# Altium PCB Power_Board_2.PcbDoc (part 4 of 6) (continued)
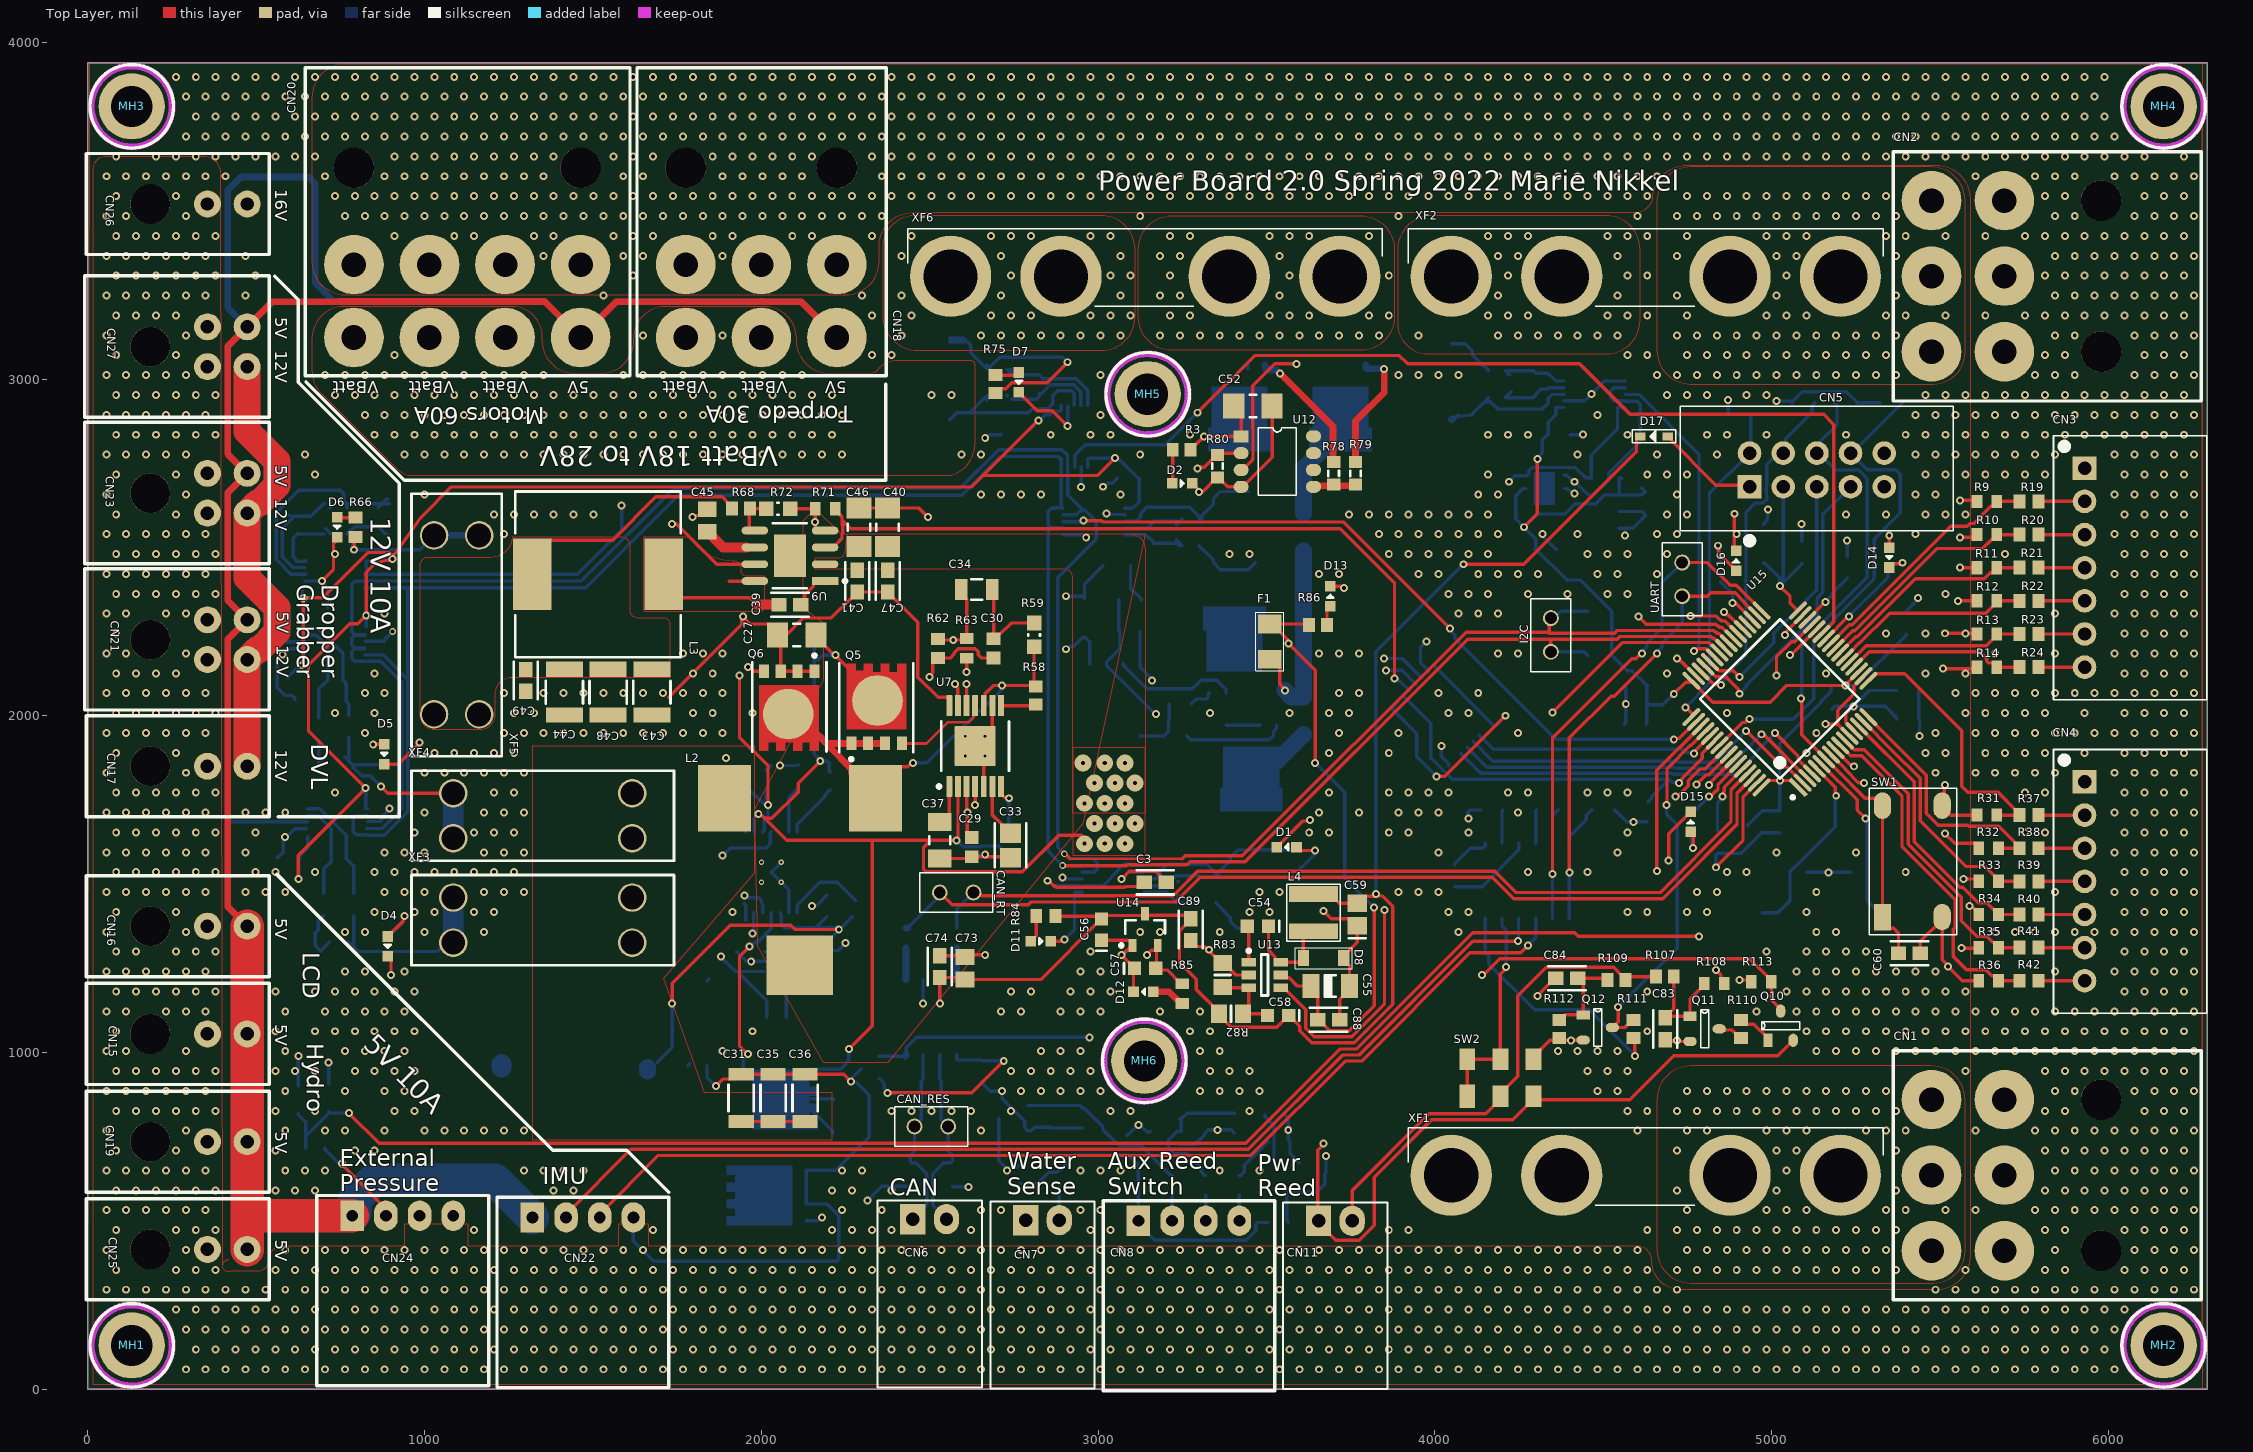
[diagram p0: Top Layer view]
## Nets (pads, with @x,y where several pads share a name; then routed paths per layer and width w, separated by ;. In a path a pad name is that pad's centre, name@x,y a point inside that pad or via, vN(x,y) a via of type N, cw(c..) or ccw(c..) an arc to the next point about the centre after c; other vN are vias at no path point) (continued)
113.54,2066.93 172.6,2066.93 231.65,2066.93 290.71,2066.93 349.76,2066.93 822.2,2066.93 881.26,2066.93 1235.59,2066.93 1353.7,2066.93 1412.76,2066.93 1471.81,2066.93 1530.87,2066.93 1589.92,2066.93 1648.98,2066.93 1708.03,2066.93 1767.09,2066.93 1826.14,2066.93 1885.2,2066.93 3715.9,2066.93 3774.96,2066.93 4011.18,2066.93 4129.29,2066.93 5546.61,2066.93 5605.67,2066.93 5664.72,2066.93 5723.78,2066.93 5782.83,2066.93 5841.89,2066.93 5900.94,2066.93 5960,2066.93 6019.05,2066.93 6078.11,2066.93 6137.16,2066.93 6196.22,2066.93 6255.27,2066.93 84.02,2125.98 143.07,2125.98 202.13,2125.98 261.18,2125.98 851.73,2125.98 1796.61,2125.98 1855.67,2125.98 4690.31,2125.98 5162.75,2125.98 5458.03,2125.98 5576.14,2125.98 6048.58,2125.98 6107.64,2125.98 6166.69,2125.98 6225.75,2125.98 54.49,2185.04 113.54,2185.04 290.71,2185.04 1767.09,2185.04 1826.14,2185.04 1885.2,2185.04 3656.85,2185.04 3715.9,2185.04 3774.96,2185.04 4188.34,2185.04 4247.4,2185.04 5664.72,2185.04 5841.89,2185.04 6019.05,2185.04 6078.11,2185.04 6137.16,2185.04 6196.22,2185.04 6255.27,2185.04 84.02,2244.09 5339.92,2244.09 5458.03,2244.09 5576.14,2244.09 6048.58,2244.09 6107.64,2244.09 6166.69,2244.09 6225.75,2244.09 54.49,2303.15 113.54,2303.15 231.65,2303.15 290.71,2303.15 881.26,2303.15 4070.23,2303.15 4129.29,2303.15 4188.34,2303.15 5841.89,2303.15 6019.05,2303.15 6078.11,2303.15 6137.16,2303.15 6196.22,2303.15 6255.27,2303.15 84.02,2362.2 143.07,2362.2 202.13,2362.2 261.18,2362.2 320.24,2362.2 379.29,2362.2 4040.71,2362.2 4099.76,2362.2 4158.82,2362.2 4276.93,2362.2 4395.04,2362.2 4513.15,2362.2 4572.2,2362.2 5517.08,2362.2 6048.58,2362.2 6107.64,2362.2 6166.69,2362.2 6225.75,2362.2 54.49,2421.26 113.54,2421.26 172.6,2421.26 231.65,2421.26 290.71,2421.26 349.76,2421.26 3656.85,2421.26 3715.9,2421.26 3952.12,2421.26 4011.18,2421.26 4129.29,2421.26 4188.34,2421.26 4247.4,2421.26 4306.45,2421.26 4483.62,2421.26 4542.68,2421.26 4660.79,2421.26 6019.05,2421.26 6078.11,2421.26 6137.16,2421.26 6196.22,2421.26 6255.27,2421.26 84.02,2480.31 143.07,2480.31 202.13,2480.31 261.18,2480.31 320.24,2480.31 379.29,2480.31 733.62,2480.31 3391.1,2480.31 3450.16,2480.31 3863.54,2480.31 3922.6,2480.31 3981.65,2480.31 4040.71,2480.31 4099.76,2480.31 4158.82,2480.31 4454.09,2480.31 4513.15,2480.31 4572.2,2480.31 4690.31,2480.31 5694.25,2480.31 6048.58,2480.31 6107.64,2480.31 6166.69,2480.31 6225.75,2480.31 54.49,2539.37 113.54,2539.37 172.6,2539.37 231.65,2539.37 290.71,2539.37 349.76,2539.37 1235.59,2539.37 3834.01,2539.37 3893.07,2539.37 3952.12,2539.37 4011.18,2539.37 4070.23,2539.37 4129.29,2539.37 4188.34,2539.37 4424.57,2539.37 4660.79,2539.37 4719.84,2539.37 4897.01,2539.37 5428.5,2539.37 6019.05,2539.37 6078.11,2539.37 6137.16,2539.37 6196.22,2539.37 6255.27,2539.37 2160,2575 84.02,2598.42 261.18,2598.42 1206.06,2598.42 1265.12,2598.42 1324.17,2598.42 1383.23,2598.42 1442.28,2598.42 1501.34,2598.42 3745.43,2598.42 3804.49,2598.42 3863.54,2598.42 3922.6,2598.42 3981.65,2598.42 4040.71,2598.42 4099.76,2598.42 4158.82,2598.42 4690.31,2598.42 4749.37,2598.42 5221.81,2598.42 5339.92,2598.42 5458.03,2598.42 5517.08,2598.42 5576.14,2598.42 6048.58,2598.42 6107.64,2598.42 6166.69,2598.42 6225.75,2598.42 54.49,2657.48 290.71,2657.48 999.37,2657.48 2652.91,2657.48 2711.97,2657.48 2771.02,2657.48 2830.08,2657.48 3066.3,2657.48 4129.29,2657.48 4188.34,2657.48 4719.84,2657.48 5428.5,2657.48 5487.56,2657.48 6019.05,2657.48 6078.11,2657.48 6137.16,2657.48 6196.22,2657.48 6255.27,2657.48 84.02,2716.53 261.18,2716.53 674.57,2716.53 4158.82,2716.53 4631.26,2716.53 4690.31,2716.53 4749.37,2716.53 5458.03,2716.53 5517.08,2716.53 5576.14,2716.53 5635.19,2716.53 5694.25,2716.53 5753.3,2716.53 5812.36,2716.53 6048.58,2716.53 6107.64,2716.53 6166.69,2716.53 6225.75,2716.53 54.49,2775.59 113.54,2775.59 172.6,2775.59 231.65,2775.59 290.71,2775.59 645.04,2775.59 2652.91,2775.59 3125.35,2775.59 4424.57,2775.59 4660.79,2775.59 4837.95,2775.59 5428.5,2775.59 5487.56,2775.59 5546.61,2775.59 5605.67,2775.59 5664.72,2775.59 5723.78,2775.59 5782.83,2775.59 5841.89,2775.59 6019.05,2775.59 6078.11,2775.59 6137.16,2775.59 6196.22,2775.59 6255.27,2775.59 84.02,2834.64 143.07,2834.64 202.13,2834.64 261.18,2834.64 320.24,2834.64 379.29,2834.64 2859.6,2834.64 2977.72,2834.64 3036.77,2834.64 3272.99,2834.64 4158.82,2834.64 4217.87,2834.64 4276.93,2834.64 4572.2,2834.64 4808.42,2834.64 4867.48,2834.64 4985.59,2834.64 5221.81,2834.64 5398.97,2834.64 5458.03,2834.64 5517.08,2834.64 5576.14,2834.64 5635.19,2834.64 5694.25,2834.64 5753.3,2834.64 5812.36,2834.64 5871.41,2834.64 5930.47,2834.64 5989.53,2834.64 6048.58,2834.64 6107.64,2834.64 6166.69,2834.64 6225.75,2834.64 54.49,2893.7 113.54,2893.7 172.6,2893.7 231.65,2893.7 290.71,2893.7 349.76,2893.7 3007.24,2893.7 4483.62,2893.7 5428.5,2893.7 5487.56,2893.7 5546.61,2893.7 5605.67,2893.7 5664.72,2893.7 5723.78,2893.7 5782.83,2893.7 5841.89,2893.7 5900.94,2893.7 5960,2893.7 6019.05,2893.7 6078.11,2893.7 6137.16,2893.7 6196.22,2893.7 6255.27,2893.7 84.02,2952.76 143.07,2952.76 202.13,2952.76 261.18,2952.76 320.24,2952.76 379.29,2952.76 4690.31,2952.76 4749.37,2952.76 4808.42,2952.76 4926.53,2952.76 4985.59,2952.76 5458.03,2952.76 5517.08,2952.76 5576.14,2952.76 5635.19,2952.76 5694.25,2952.76 5753.3,2952.76 5812.36,2952.76 5871.41,2952.76 5930.47,2952.76 5989.53,2952.76 6048.58,2952.76 6107.64,2952.76 6166.69,2952.76 6225.75,2952.76 4465,2955 54.49,3011.81 113.54,3011.81 172.6,3011.81 231.65,3011.81 290.71,3011.81 3007.24,3011.81 3893.07,3011.81 3952.12,3011.81 4011.18,3011.81 4070.23,3011.81 4660.79,3011.81 5782.83,3011.81 5841.89,3011.81 5900.94,3011.81 6078.11,3011.81 6137.16,3011.81 6196.22,3011.81 6255.27,3011.81 84.02,3070.87 261.18,3070.87 2328.11,3070.87 2387.16,3070.87 4572.2,3070.87 4631.26,3070.87 5812.36,3070.87 5871.41,3070.87 6107.64,3070.87 6166.69,3070.87 6225.75,3070.87 54.49,3129.92 290.71,3129.92 5841.89,3129.92 5900.94,3129.92 6078.11,3129.92 6137.16,3129.92 6196.22,3129.92 6255.27,3129.92 84.02,3188.98 143.07,3188.98 202.13,3188.98 261.18,3188.98 2328.11,3188.98 4631.26,3188.98 5635.19,3188.98 5753.3,3188.98 5812.36,3188.98 5871.41,3188.98 5930.47,3188.98 5989.53,3188.98 6048.58,3188.98 6107.64,3188.98 6166.69,3188.98 6225.75,3188.98 54.49,3248.03 113.54,3248.03 172.6,3248.03 231.65,3248.03 290.71,3248.03 349.76,3248.03 467.87,3248.03 1530.87,3248.03 2298.58,3248.03 5841.89,3248.03 5900.94,3248.03 5960,3248.03 6019.05,3248.03 6078.11,3248.03 6137.16,3248.03 6196.22,3248.03 6255.27,3248.03 84.02,3307.09 143.07,3307.09 202.13,3307.09 261.18,3307.09 320.24,3307.09 379.29,3307.09 497.4,3307.09 1619.45,3307.09 4631.26,3307.09 5812.36,3307.09 5871.41,3307.09 5930.47,3307.09 5989.53,3307.09 6048.58,3307.09 6107.64,3307.09 6166.69,3307.09 6225.75,3307.09 54.49,3366.14 113.54,3366.14 172.6,3366.14 231.65,3366.14 290.71,3366.14 349.76,3366.14 467.87,3366.14 1353.7,3366.14 1589.92,3366.14 1648.98,3366.14 1885.2,3366.14 5841.89,3366.14 5900.94,3366.14 5960,3366.14 6019.05,3366.14 6078.11,3366.14 6137.16,3366.14 6196.22,3366.14 6255.27,3366.14 84.02,3425.2 143.07,3425.2 202.13,3425.2 261.18,3425.2 320.24,3425.2 379.29,3425.2 910.79,3425.2 1087.95,3425.2 1147.01,3425.2 1324.17,3425.2 1383.23,3425.2 1560.39,3425.2 1619.45,3425.2 1678.5,3425.2 1855.67,3425.2 1914.72,3425.2 2091.89,3425.2 2150.94,3425.2 2328.11,3425.2 4631.26,3425.2 5635.19,3425.2 5753.3,3425.2 5812.36,3425.2 5871.41,3425.2 5930.47,3425.2 5989.53,3425.2 6048.58,3425.2 6107.64,3425.2 6166.69,3425.2 6225.75,3425.2 54.49,3484.25 113.54,3484.25 290.71,3484.25 763.15,3484.25 822.2,3484.25 881.26,3484.25 940.31,3484.25 999.37,3484.25 1058.42,3484.25 1117.48,3484.25 1176.53,3484.25 1235.59,3484.25 1294.64,3484.25 1353.7,3484.25 1412.76,3484.25 1471.81,3484.25 1530.87,3484.25 1589.92,3484.25 1648.98,3484.25 1708.03,3484.25 1767.09,3484.25 1826.14,3484.25 1885.2,3484.25 1944.25,3484.25 2003.31,3484.25 2062.36,3484.25 2121.42,3484.25 2180.47,3484.25 2239.53,3484.25 2298.58,3484.25 2357.64,3484.25 3125.35,3484.25 3893.07,3484.25 4601.73,3484.25 5841.89,3484.25 5900.94,3484.25 6078.11,3484.25 6137.16,3484.25 6196.22,3484.25 6255.27,3484.25 84.02,3543.31 261.18,3543.31 733.62,3543.31 792.68,3543.31 851.73,3543.31 910.79,3543.31 969.84,3543.31 1028.9,3543.31 1087.95,3543.31 1147.01,3543.31 1206.06,3543.31 1265.12,3543.31 1324.17,3543.31 1383.23,3543.31 1442.28,3543.31 1501.34,3543.31 1560.39,3543.31 1619.45,3543.31 1678.5,3543.31 1737.56,3543.31 1796.61,3543.31 1855.67,3543.31 1914.72,3543.31 1973.78,3543.31 2032.83,3543.31 2091.89,3543.31 2150.94,3543.31 2210,3543.31 2269.05,3543.31 2328.11,3543.31 2387.16,3543.31 2446.22,3543.31 2505.27,3543.31 2564.33,3543.31 2623.38,3543.31 2682.44,3543.31 2741.49,3543.31 2800.55,3543.31 2859.6,3543.31 2918.66,3543.31 2977.72,3543.31 3036.77,3543.31 3095.83,3543.31 3154.88,3543.31 3213.94,3543.31 3272.99,3543.31 3332.05,3543.31 3391.1,3543.31 3450.16,3543.31 3509.21,3543.31 3568.27,3543.31 3627.32,3543.31 3686.38,3543.31 3745.43,3543.31 3804.49,3543.31 3863.54,3543.31 3922.6,3543.31 3981.65,3543.31 4040.71,3543.31 4099.76,3543.31 4158.82,3543.31 4217.87,3543.31 4276.93,3543.31 4335.98,3543.31 4395.04,3543.31 4454.09,3543.31 4513.15,3543.31 4572.2,3543.31 4631.26,3543.31 5812.36,3543.31 5871.41,3543.31 6107.64,3543.31 6166.69,3543.31 6225.75,3543.31 54.49,3602.36 113.54,3602.36 172.6,3602.36 231.65,3602.36 290.71,3602.36 349.76,3602.36 408.82,3602.36 704.09,3602.36 881.26,3602.36 940.31,3602.36 999.37,3602.36 1058.42,3602.36 1117.48,3602.36 1176.53,3602.36 1235.59,3602.36 1294.64,3602.36 1353.7,3602.36 1589.92,3602.36 1648.98,3602.36 1885.2,3602.36 1944.25,3602.36 2003.31,3602.36 2062.36,3602.36 2121.42,3602.36 2357.64,3602.36 2416.69,3602.36 2475.75,3602.36 2534.8,3602.36 2593.86,3602.36 2652.91,3602.36 2711.97,3602.36 2771.02,3602.36 2830.08,3602.36 2889.13,3602.36 2948.19,3602.36 3007.24,3602.36 3066.3,3602.36 3125.35,3602.36 3184.41,3602.36 3243.46,3602.36 3302.52,3602.36 3361.57,3602.36 3420.63,3602.36 3479.68,3602.36 3538.74,3602.36 3597.79,3602.36 3656.85,3602.36 3715.9,3602.36 3774.96,3602.36 3834.01,3602.36 3893.07,3602.36 3952.12,3602.36 4011.18,3602.36 4070.23,3602.36 4129.29,3602.36 4188.34,3602.36 4247.4,3602.36 4306.45,3602.36 4365.51,3602.36 4424.57,3602.36 4483.62,3602.36 4542.68,3602.36 4601.73,3602.36 4660.79,3602.36 5605.67,3602.36 5782.83,3602.36 5841.89,3602.36 5900.94,3602.36 6019.05,3602.36 6078.11,3602.36 6137.16,3602.36 6196.22,3602.36 6255.27,3602.36 84.02,3661.42 202.13,3661.42 261.18,3661.42 320.24,3661.42 379.29,3661.42 438.35,3661.42 497.4,3661.42 556.46,3661.42 615.51,3661.42 674.57,3661.42 910.79,3661.42 969.84,3661.42 1028.9,3661.42 1087.95,3661.42 1147.01,3661.42 1206.06,3661.42 1265.12,3661.42 1324.17,3661.42 1383.23,3661.42 1560.39,3661.42 1619.45,3661.42 1678.5,3661.42 1855.67,3661.42 1914.72,3661.42 1973.78,3661.42 2032.83,3661.42 2091.89,3661.42 2150.94,3661.42 2328.11,3661.42 2387.16,3661.42 2446.22,3661.42 2505.27,3661.42 2564.33,3661.42 2623.38,3661.42 2682.44,3661.42 2741.49,3661.42 2800.55,3661.42 2859.6,3661.42 2918.66,3661.42 2977.72,3661.42 3036.77,3661.42 3095.83,3661.42 3154.88,3661.42 3213.94,3661.42 3272.99,3661.42 3332.05,3661.42 3391.1,3661.42 3450.16,3661.42 3509.21,3661.42 3568.27,3661.42 3627.32,3661.42 3686.38,3661.42 3745.43,3661.42 3804.49,3661.42 3863.54,3661.42 3922.6,3661.42 3981.65,3661.42 4040.71,3661.42 4099.76,3661.42 4158.82,3661.42 4217.87,3661.42 4276.93,3661.42 4335.98,3661.42 4395.04,3661.42 4454.09,3661.42 4513.15,3661.42 4572.2,3661.42 4631.26,3661.42 4690.31,3661.42 4749.37,3661.42 4808.42,3661.42 4867.48,3661.42 4926.53,3661.42 4985.59,3661.42 5044.64,3661.42 5103.7,3661.42 5162.75,3661.42 5221.81,3661.42 5280.86,3661.42 5339.92,3661.42 5398.97,3661.42 5458.03,3661.42 5517.08,3661.42 5576.14,3661.42 5635.19,3661.42 5694.25,3661.42 5753.3,3661.42 5812.36,3661.42 5871.41,3661.42 5930.47,3661.42 5989.53,3661.42 6048.58,3661.42 6107.64,3661.42 6225.75,3661.42 290.71,3720.47 349.76,3720.47 408.82,3720.47 467.87,3720.47 526.93,3720.47 585.98,3720.47 645.04,3720.47 704.09,3720.47 763.15,3720.47 822.2,3720.47 881.26,3720.47 940.31,3720.47 999.37,3720.47 1058.42,3720.47 1117.48,3720.47 1176.53,3720.47 1235.59,3720.47 1294.64,3720.47 1353.7,3720.47 1412.76,3720.47 1471.81,3720.47 1530.87,3720.47 1589.92,3720.47 1648.98,3720.47 1708.03,3720.47 1767.09,3720.47 1826.14,3720.47 1885.2,3720.47 1944.25,3720.47 2003.31,3720.47 2062.36,3720.47 2121.42,3720.47 2180.47,3720.47 2239.53,3720.47 2298.58,3720.47 2357.64,3720.47 2416.69,3720.47 2475.75,3720.47 2534.8,3720.47 2593.86,3720.47 2652.91,3720.47 2711.97,3720.47 2771.02,3720.47 2830.08,3720.47 2889.13,3720.47 2948.19,3720.47 3007.24,3720.47 3066.3,3720.47 3125.35,3720.47 3184.41,3720.47 3243.46,3720.47 3302.52,3720.47 3361.57,3720.47 3420.63,3720.47 3479.68,3720.47 3538.74,3720.47 3597.79,3720.47 3656.85,3720.47 3715.9,3720.47 3774.96,3720.47 3834.01,3720.47 3893.07,3720.47 3952.12,3720.47 4011.18,3720.47 4070.23,3720.47 4129.29,3720.47 4188.34,3720.47 4247.4,3720.47 4306.45,3720.47 4365.51,3720.47 4424.57,3720.47 4483.62,3720.47 4542.68,3720.47 4601.73,3720.47 4660.79,3720.47 4719.84,3720.47 4778.9,3720.47 4837.95,3720.47 4897.01,3720.47 4956.06,3720.47 5015.12,3720.47 5074.17,3720.47 5133.23,3720.47 5192.28,3720.47 5251.34,3720.47 5310.39,3720.47 5369.45,3720.47 5428.5,3720.47 5487.56,3720.47 5546.61,3720.47 5605.67,3720.47 5664.72,3720.47 5723.78,3720.47 5782.83,3720.47 5841.89,3720.47 5900.94,3720.47 5960,3720.47 6019.05,3720.47 320.24,3779.53 379.29,3779.53 438.35,3779.53 497.4,3779.53 556.46,3779.53 615.51,3779.53 674.57,3779.53 733.62,3779.53 792.68,3779.53 851.73,3779.53 910.79,3779.53 969.84,3779.53 1028.9,3779.53 1087.95,3779.53 1147.01,3779.53 1206.06,3779.53 1265.12,3779.53 1324.17,3779.53 1383.23,3779.53 1442.28,3779.53 1501.34,3779.53 1560.39,3779.53 1619.45,3779.53 1678.5,3779.53 1737.56,3779.53 1796.61,3779.53 1855.67,3779.53 1914.72,3779.53 1973.78,3779.53 2032.83,3779.53 2091.89,3779.53 2150.94,3779.53 2210,3779.53 2269.05,3779.53 2328.11,3779.53 2387.16,3779.53 2446.22,3779.53 2505.27,3779.53 2564.33,3779.53 2623.38,3779.53 2682.44,3779.53 2741.49,3779.53 2800.55,3779.53 2859.6,3779.53 2918.66,3779.53 2977.72,3779.53 3036.77,3779.53 3095.83,3779.53 3154.88,3779.53 3213.94,3779.53 3272.99,3779.53 3332.05,3779.53 3391.1,3779.53 3450.16,3779.53 3509.21,3779.53 3568.27,3779.53 3627.32,3779.53 3686.38,3779.53 3745.43,3779.53 3804.49,3779.53 3863.54,3779.53 3922.6,3779.53 3981.65,3779.53 4040.71,3779.53 4099.76,3779.53 4158.82,3779.53 4217.87,3779.53 4276.93,3779.53 4335.98,3779.53 4395.04,3779.53 4454.09,3779.53 4513.15,3779.53 4572.2,3779.53 4631.26,3779.53 4690.31,3779.53 4749.37,3779.53 4808.42,3779.53 4867.48,3779.53 4926.53,3779.53 4985.59,3779.53 5044.64,3779.53 5103.7,3779.53 5162.75,3779.53 5221.81,3779.53 5280.86,3779.53 5339.92,3779.53 5398.97,3779.53 5458.03,3779.53 5517.08,3779.53 5576.14,3779.53 5635.19,3779.53 5694.25,3779.53 5753.3,3779.53 5812.36,3779.53 5871.41,3779.53 5930.47,3779.53 5989.53,3779.53 290.71,3838.58 349.76,3838.58 408.82,3838.58 467.87,3838.58 526.93,3838.58 585.98,3838.58 645.04,3838.58 704.09,3838.58 763.15,3838.58 822.2,3838.58 881.26,3838.58 940.31,3838.58 999.37,3838.58 1058.42,3838.58 1117.48,3838.58 1176.53,3838.58 1235.59,3838.58 1294.64,3838.58 1353.7,3838.58 1412.76,3838.58 1471.81,3838.58 1530.87,3838.58 1589.92,3838.58 1648.98,3838.58 1708.03,3838.58 1767.09,3838.58 1826.14,3838.58 1885.2,3838.58 1944.25,3838.58 2003.31,3838.58 2062.36,3838.58 2121.42,3838.58 2180.47,3838.58 2239.53,3838.58 2298.58,3838.58 2357.64,3838.58 2416.69,3838.58 2475.75,3838.58 2534.8,3838.58 2593.86,3838.58 2652.91,3838.58 2711.97,3838.58 2771.02,3838.58 2830.08,3838.58 2889.13,3838.58 2948.19,3838.58 3007.24,3838.58 3066.3,3838.58 3125.35,3838.58 3184.41,3838.58 3243.46,3838.58 3302.52,3838.58 3361.57,3838.58 3420.63,3838.58 3479.68,3838.58 3538.74,3838.58 3597.79,3838.58 3656.85,3838.58 3715.9,3838.58 3774.96,3838.58 3834.01,3838.58 3893.07,3838.58 3952.12,3838.58 4011.18,3838.58 4070.23,3838.58 4129.29,3838.58 4188.34,3838.58 4247.4,3838.58 4306.45,3838.58 4365.51,3838.58 4424.57,3838.58 4483.62,3838.58 4542.68,3838.58 4601.73,3838.58 4660.79,3838.58 4719.84,3838.58 4778.9,3838.58 4837.95,3838.58 4897.01,3838.58 4956.06,3838.58 5015.12,3838.58 5074.17,3838.58 5133.23,3838.58 5192.28,3838.58 5251.34,3838.58 5310.39,3838.58 5369.45,3838.58 5428.5,3838.58 5487.56,3838.58 5546.61,3838.58 5605.67,3838.58 5664.72,3838.58 5723.78,3838.58 5782.83,3838.58 5841.89,3838.58 5900.94,3838.58 5960,3838.58 261.18,3897.64 320.24,3897.64 379.29,3897.64 438.35,3897.64 497.4,3897.64 556.46,3897.64 615.51,3897.64 674.57,3897.64 733.62,3897.64 792.68,3897.64 851.73,3897.64 910.79,3897.64 969.84,3897.64 1028.9,3897.64 1087.95,3897.64 1147.01,3897.64 1206.06,3897.64 1265.12,3897.64 1324.17,3897.64 1383.23,3897.64 1442.28,3897.64 1501.34,3897.64 1560.39,3897.64 1619.45,3897.64 1678.5,3897.64 1737.56,3897.64 1796.61,3897.64 1855.67,3897.64 1914.72,3897.64 1973.78,3897.64 2032.83,3897.64 2091.89,3897.64 2150.94,3897.64 2210,3897.64 2269.05,3897.64 2328.11,3897.64 2387.16,3897.64 2446.22,3897.64 2505.27,3897.64 2564.33,3897.64 2623.38,3897.64 2682.44,3897.64 2741.49,3897.64 2800.55,3897.64 2859.6,3897.64 2918.66,3897.64 2977.72,3897.64 3036.77,3897.64 3095.83,3897.64 3154.88,3897.64 3213.94,3897.64 3272.99,3897.64 3332.05,3897.64 3391.1,3897.64 3450.16,3897.64 3509.21,3897.64 3568.27,3897.64 3627.32,3897.64 3686.38,3897.64 3745.43,3897.64 3804.49,3897.64 3863.54,3897.64 3922.6,3897.64 3981.65,3897.64 4040.71,3897.64 4099.76,3897.64 4158.82,3897.64 4217.87,3897.64 4276.93,3897.64 4335.98,3897.64 4395.04,3897.64 4454.09,3897.64 4513.15,3897.64 4572.2,3897.64 4631.26,3897.64 4690.31,3897.64 4749.37,3897.64 4808.42,3897.64 4867.48,3897.64 4926.53,3897.64 4985.59,3897.64 5044.64,3897.64 5103.7,3897.64 5162.75,3897.64 5221.81,3897.64 5280.86,3897.64 5339.92,3897.64 5398.97,3897.64 5458.03,3897.64 5517.08,3897.64 5576.14,3897.64 5635.19,3897.64 5694.25,3897.64 5753.3,3897.64 5812.36,3897.64 5871.41,3897.64 5930.47,3897.64 5989.53,3897.64
  other v3: 2000.47,1505.47 2000.47,1564.53 2059.53,1564.53 2605.47,1880.47 2664.53,1880.47 2605.47,1939.53
GREEN: R88.2 U15.26 | length 281.6
  Top Layer w10: U15.26@5162.56,2229.32 5228.34,2295.1 v1(5229.9,2295.1)
  Bottom Layer w10: v1(5229.9,2295.1) 5345.38,2410.58 5345.38,2424.72 5348.63,2427.97 R88.2@5353.56,2427.97
I2C_SCL: I2C.1 R95.1 U1.2 U1.5 U2.5 U3.5 U6.2 U6.5 U8.5 U10.5 U11.5 U15.41 U18.8 U19.6 | length 8222.4
  Top Layer w10: v4(2895,1555) 3084.54,1555 3087.54,1558 3187.14,1558 3188.14,1557 3264.34,1557 3273.26,1565.92 3436.52,1565.92 4097.84,2227.25 4345,2227.25 ; I2C.1@4345,2190 4345,2227.25 ; U15.41@4859.6,2201.48 4858.98,2201.48 4833.21,2227.25 4830.69,2227.25 4826.61,2231.33 4824.23,2231.33 4820.15,2235.41 4549.96,2235.41 4541.8,2227.25 4345,2227.25
  Layer 2 w10: v1(4220,2695) 4220,2315 I2C.1@4345,2190
  Bottom Layer w10: U8.5@822.6,2180.63 876.83,2180.63 950,2107.46 ; U10.5@822.6,2380.63 944.14,2380.63 ; U6.2@827.6,1704.69 826.82,1703.91 796.78,1703.91 788.02,1695.15 788.02,1655.17 796.78,1646.41 826.82,1646.41 827.6,1645.63 880.63,1645.63 950,1715 950,2107.46 ; v4@2895,1554.37 U2.5@2953.46,1554.37 ; v4(2895,1555) 2852.55,1597.4 2852.55,2567.25 ; U1.2@2896.06,2557.71 2895.28,2558.49 2861.31,2558.49 2852.55,2567.25 ; U1.5@2896.06,2616.77 2895.16,2617.68 U1.5@2890.63,2617.68 ; v1(4220,2695) 4237.89,2712.89 4274.31,2712.89 4279.35,2717.93 4279.35,2728.33 4288.24,2737.21 4417.79,2737.21 4448.15,2706.85 4463.07,2706.85 U18.8@4464.92,2705 4464.92,2774.05 4542.97,2852.1 4542.97,2914.72 4543.88,2915.63 U3.5@4566.54,2915.63 ; I2C.1@4345,2190 4444.57,2190 R95.1@4454.57,2180 ; 944.14,2380.63 950,2374.77 950,2107.46 ; 944.14,2380.63 1478.63,2380.63 1753,2655 2595,2655 2710,2770 2858.87,2770 2881.75,2770 2887.78,2763.98 2889.72,2763.98 2890.63,2763.07 U11.5@2890.63,2738.46 U1.5@2890.63,2617.68 ; 2852.55,2567.25 2852.55,2607.23 2861.31,2615.99 2870.99,2615.99 2872.68,2617.68 U1.5@2890.63,2617.68
I2C_SDA: I2C.2 R96.1 U1.4 U2.4 U3.2 U3.4 U6.4 U8.2 U8.4 U10.4 U11.4 U15.40 U18.7 U19.1 | length 8333.7
  Top Layer w8: 2917.71,1575 3250,1575
  Top Layer w10: v4(2900,1590) 2902.71,1590 2917.71,1575 ; 3250,1575 3258.92,1583.92 3429.06,1583.92 4093.14,2248 4340,2248 4340,2285 I2C.2@4345,2290 ; 4340,2245.25 4534.34,2245.25 4542.5,2253.41 4827.6,2253.41 4831.68,2249.33 4834.07,2249.33 4838.15,2245.25 4843.05,2245.25 4872.9,2215.4 U15.40@4873.52,2215.4
  Layer 2 w10: I2C.2@4345,2290 4345,2625 v1(4415,2695)
  Bottom Layer w8: 2915,1575 2986.5,1575 2996.98,1564.52
  Bottom Layer w10: U6.4@827.6,1665.32 874.86,1665.32 932,1722.46 932,2100 870.28,2161.72 791.78,2161.72 783.02,2170.48 783.02,2190.78 791.78,2199.54 821.82,2199.54 822.6,2200.32 821.82,2201.09 791.78,2201.09 783.02,2209.85 783.02,2230.15 791.78,2238.91 821.82,2238.91 822.6,2239.69 821.82,2240.46 791.78,2240.46 783.02,2249.22 783.02,2390.78 791.78,2399.54 821.82,2399.54 822.6,2400.32 1465.32,2400.32 1740,2675 2589.54,2675 2704.54,2790 2867.75,2790 2892.75,2790 2909.54,2773.22 2909.54,2739.24 U11.4@2910.31,2738.46 2910.31,2656.18 2930.82,2635.68 2952.72,2613.78 ; U1.4@2896.06,2597.09 2936.02,2597.09 2952.72,2613.78 ; 2915,1575 v4(2900,1590) 2880,1610 2880,2410 2995,2525 2995,2577.33 2962.19,2610.14 2953.91,2610.14 2953.24,2609.47 ; 2952.72,2610 2952.72,2613.78 ; U2.4@2953.46,1534.68 2954.24,1535.46 2988.22,1535.46 2996.98,1544.22 2996.98,1564.52 ; I2C.2@4345,2290 4355.08,2290 4375.08,2310 R96.1@4454.57,2310 ; U19.1@4384.17,2714.37 4392.05,2714.37 4411.42,2695 v1(4415,2695) 4416.42,2695 4455.63,2655.79 U18.7@4464.92,2655.79 4472.8,2655.79 4516.88,2699.87 4516.88,2720.23 4610.05,2813.39 4610.05,2925.78 4601.29,2934.54 4567.31,2934.54 U3.4@4566.54,2935.32 4565.76,2936.09 4531.78,2936.09 4523.02,2944.85 4523.02,2965.15 4531.78,2973.91 4565.76,2973.91 U3.2@4566.54,2974.69
Motor_PWR: C52.1 D10.A Q7.5 Q8.5 R3.1 R5.1 R7.2 R8.1 R17.1 U1.8 U3.8 U12.1 | length 1552.9
  Top Layer w10: R3.1@3275,2790 3275,2792.95 3287.72,2805.67 3290.67,2805.67 v1(3315,2830) 3402.91,2830 U12.1@3425,2830 3425,2897.91 C52.1@3402.91,2920
  Bottom Layer w10: U1.8@3079.14,2577.4 3079.91,2578.18 3113.89,2578.18 3126.79,2591.08 3126.79,2600.46 3145.24,2618.91 3272.73,2618.91 3306.64,2585 R5.1@3308.5,2585 ; R5.1@3300.62,2585 3300.62,2587.08 3343.07,2629.53 3343.07,2645.55 3363.66,2666.14 R7.2@3405,2666.14 R7.2@3446.34,2666.14 ; 3405,2876.14 3420,2891.14 Q7.5@3420,2900 ; R8.1@4070.59,2893.31 R8.1@4050,2872.72 4042.94,2879.77 4049.3,2886.12 4071.13,2888.63 R8.1@4111.93,2893.31 ; R8.1@4110,2893.09 4111.71,2893.09 R8.1@4111.93,2893.31 ; R17.1@4159.38,2945 4159.38,2942.92 R17.1@4149.48,2933.03 ; U3.8@4383.46,2955 4382.69,2954.22 4348.71,2954.22 4337.01,2942.52 4337.01,2928.34 4319.76,2911.09 4187.27,2911.09 4165.33,2933.03 R17.1@4149.48,2933.03 ; R8.1@4111.93,2893.31 4111.93,2896.93 4148.03,2933.03 R17.1@4149.48,2933.03
  Bottom Layer w50: D10.A@3610,2601.1 3610,2735 3720,2845 Q8.5@3720,2900
NetC2_1: C2.1 R4.2 U1.10 | length 203.5
  Bottom Layer w10: U1.10@3079.14,2538.03 3139.41,2538.03 3147.2,2530.24 3150.08,2530.24 3165,2515.32 C2.1@3165,2512.44 3234.06,2512.44 R4.2@3241.5,2505 ; R4.2@3232.01,2522.36 3237.4,2516.97 3239.48,2516.97 3249.38,2507.08 R4.2@3249.38,2505
NetC2_2: C2.2 R5.2 U1.9 | length 197.9
  Bottom Layer w10: U1.9@3079.14,2557.71 3148.03,2557.71 3165,2574.68 C2.2@3165,2577.56 3234.95,2577.56 R5.2@3239.48,2573.03 ; R5.2@3232.01,2567.64 3237.4,2573.03 R5.2@3239.48,2573.03 ; R5.2@3249.38,2585 3249.38,2582.92 R5.2@3239.48,2573.03